# KiCad board PiCoral.kicad_pcb (continued)
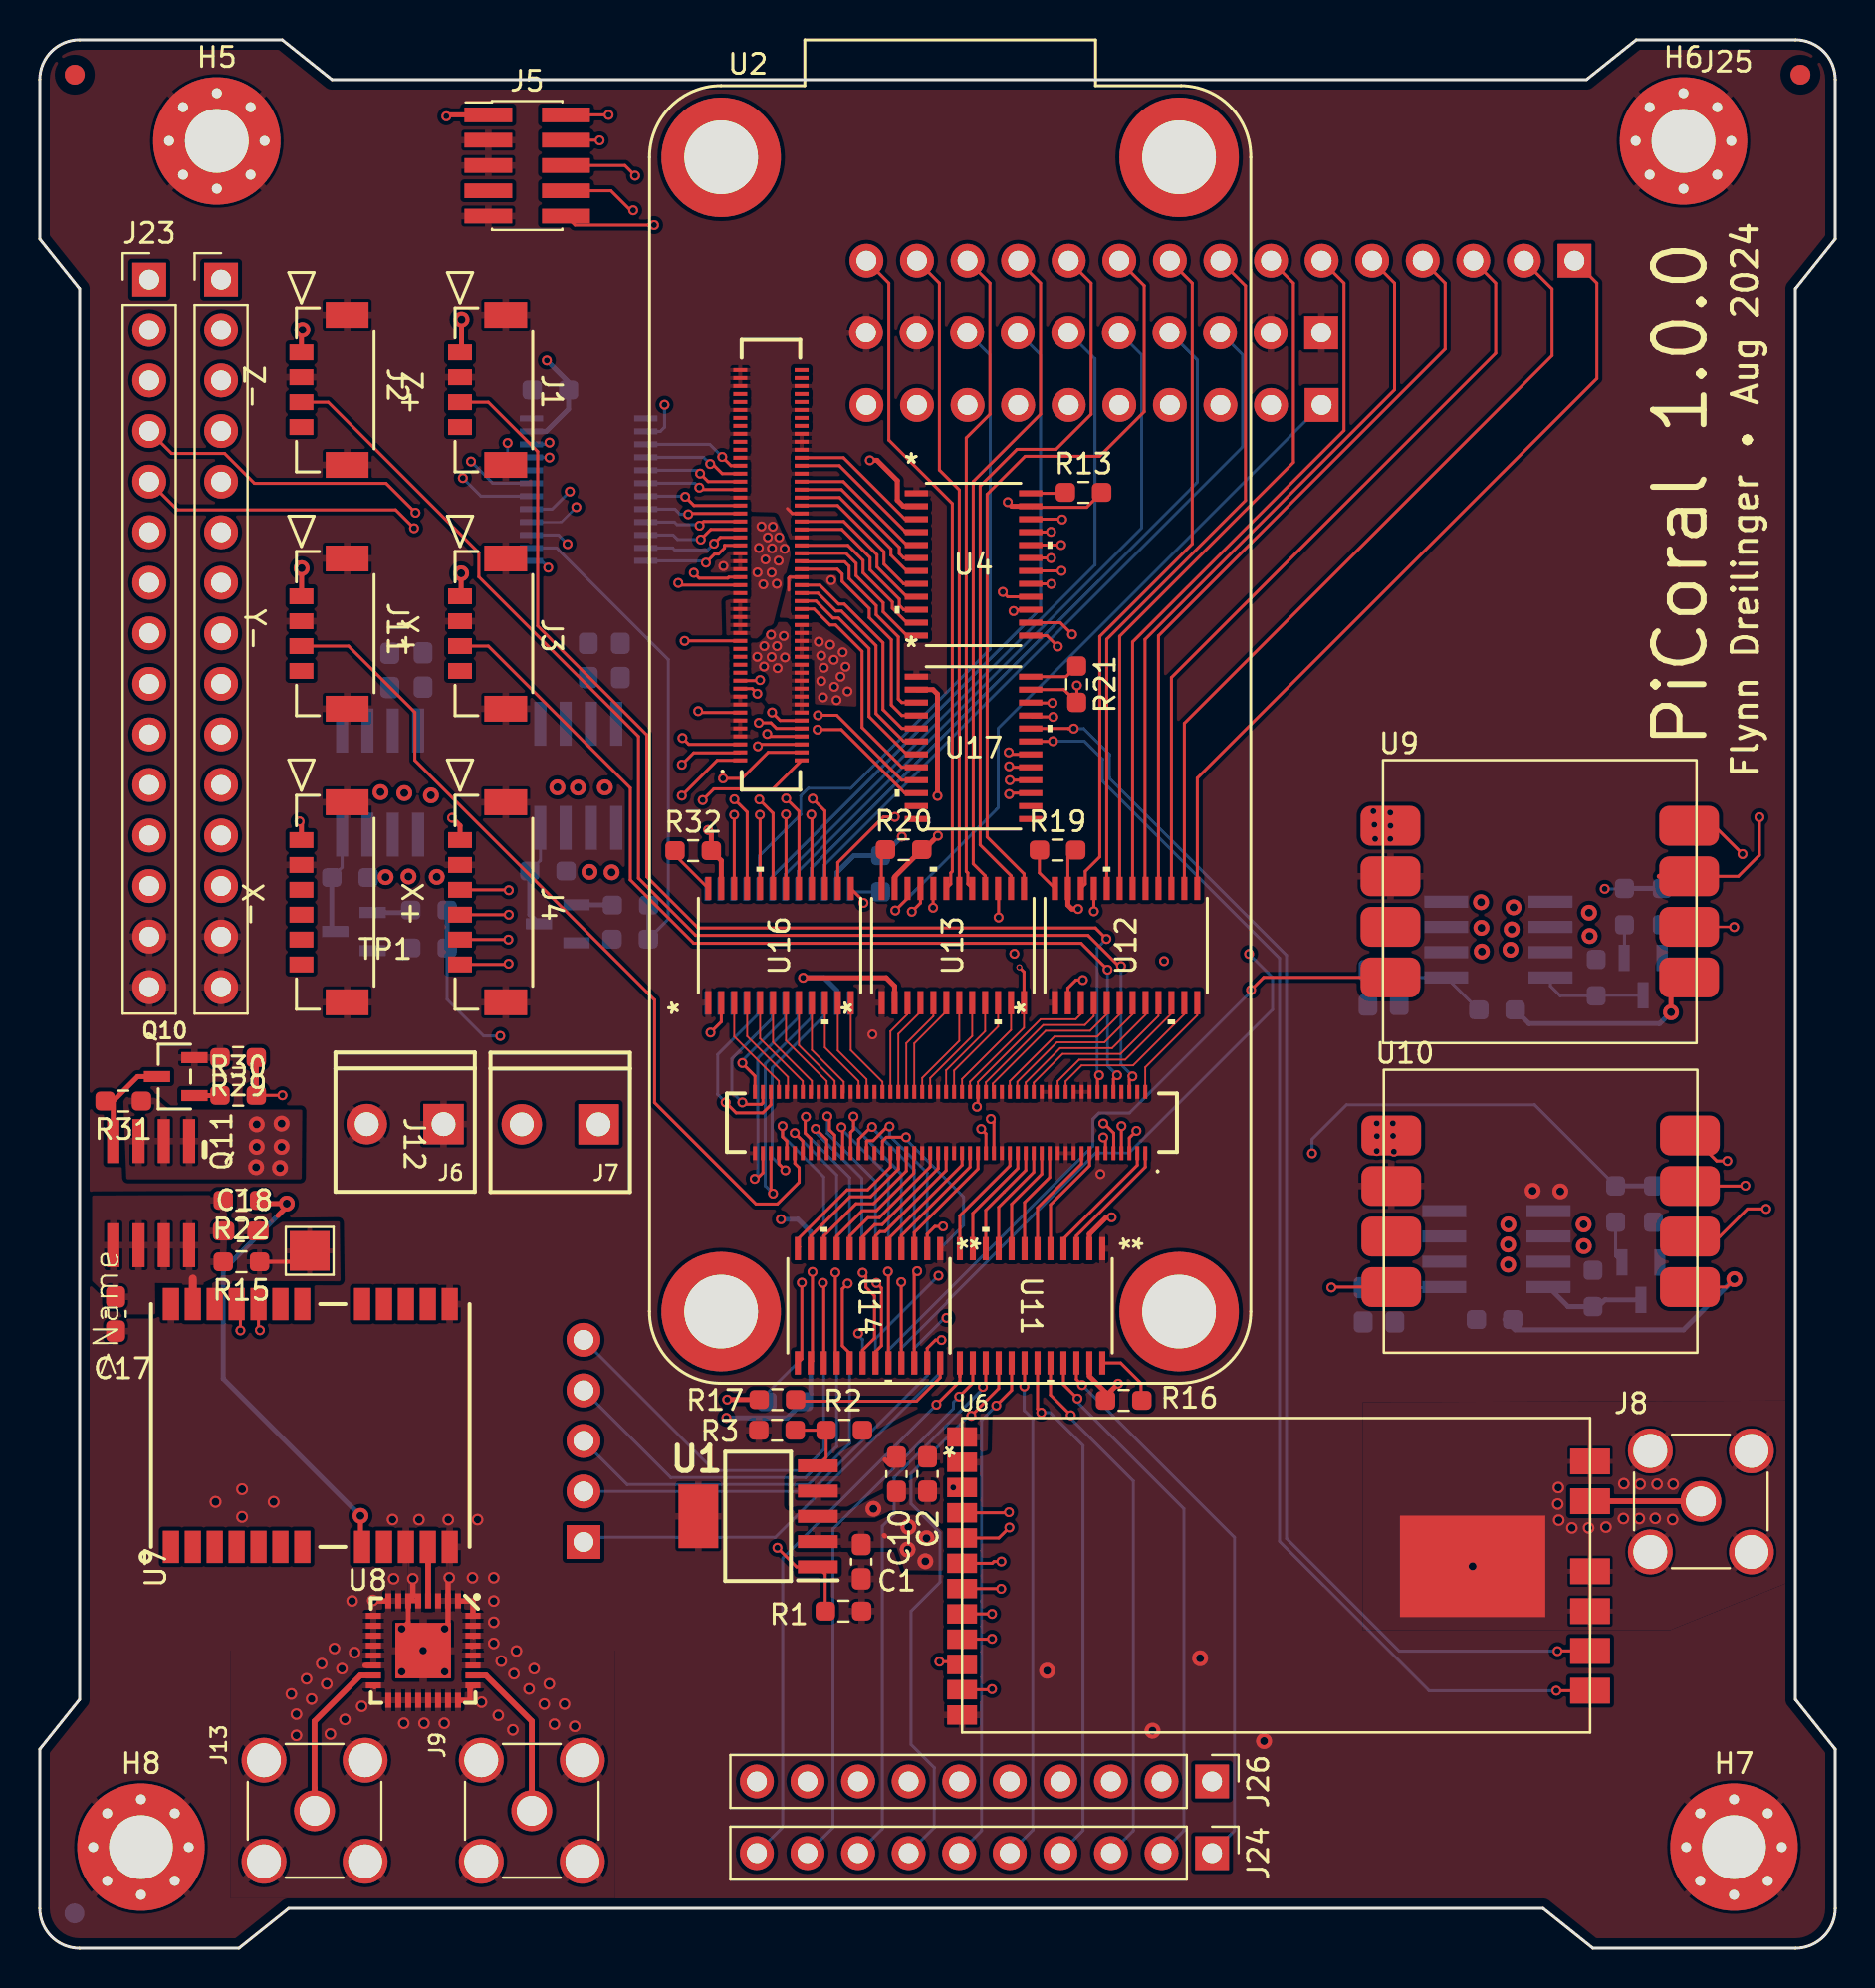
[diagram p0: board, top side]
## Nets
+1V8: J5.1 J25.6 J25.7 U2.128 U2.130 U2.132 U2.134 U2.136 U3.2 U4.2 U5.2 U11.2 U12.2 U13.2 U14.2 U15.2 U16.2 U17.2
+3V3: J23.6 J23.7 J23.8 Q2.1 Q2.2 Q2.3 Q5.1 Q5.2 Q5.3 Q7.1 Q7.2 Q7.3 Q9.1 Q9.2 Q9.3 Q11.1 Q11.2 Q11.3 R7.1 R10.1 R12.2 R13.2 R14.2 R16.2 R17.2 R18.2 R19.2 R20.2 R21.2 R25.1 R28.1 R31.1 R32.2 U2.133 U2.135 U2.137 U2.139 U2.141 U3.23 U4.23 U5.23 U11.23 U12.23 U13.23 U14.23 U15.23 U16.23 U17.23
/3V3_PD1: C3.1 C4.1 J1.1 J3.1 J4.1 Q2.5 Q2.6 Q2.7 Q2.8
/3V3_PD2: C5.1 C6.1 J2.1 J11.1 J12.1 Q5.5 Q5.6 Q5.7 Q5.8
/GPS/3V3_GPS: C17.1 C18.1 Q11.5 Q11.6 Q11.7 Q11.8 R15.2 R22.2 U7.23
/MAG1/3V3_SENSORS: C13.1 C14.1 Q7.5 Q7.6 Q7.7 Q7.8 R6.2 U9.1
/MAG2/3V3_SENSORS: C15.1 C16.1 Q9.5 Q9.6 Q9.7 Q9.8 R11.2 U10.1
/VDD_1V8: J23.4 U2.147
/VDD_1V8_AON: J23.12 U2.103
/VDD_1V8_CAM: J25.13 U2.102
/VDD_1V8_MIC: J25.12 U2.104
/VDD_1V8_SENSE: J23.5 U2.145
/VDD_3V3_SENSE: J23.9 U2.131
/VDD_LPSR_IN_01: J23.10 U2.113
/VDDA_1P0_01: J23.11 U2.105
/VDDA_2V8_CAM: J23.13 U2.101
GND: C1.1 C2.1 C3.2 C4.2 C5.2 C6.2 C10.2 C13.2 C14.2 C15.2 C16.2 C17.2 C18.2 H5.1 H6.1 H7.1 H8.1 J1.2 J1.5 J1.6 J2.2 J2.5 J2.6 J3.2 J3.5 J3.6 J4.2 J4.7 J4.8 J5.3 J5.5 J5.9 J6.1 J6.2 J8.2 J9.2 J11.2 J11.5 J11.6 J12.2 J12.7 J12.8 J13.2 J23.14 J23.15 J25.14 J25.15 J30.1 J30.2 J30.9 J30.10 Q1.2 Q4.2 Q6.2 Q8.2 Q10.2 R1.2 R3.2 R4.2 R8.2 R23.2 R26.2 R29.2 U1.3 U1.6 U2.4 U2.8 U2.12 U2.13 U2.16 U2.18 U2.19 U2.20 U2.21 U2.23 U2.26 U2.28 U2.37 U2.38 U2.49 U2.54 U2.57 U2.69 U2.70 U2.76 U2.83 U2.84 U2.90 U2.99 U2.107 U2.109 U2.111 U2.115 U2.117 U2.138 U2.143 U2.148 U2.149 U2.151 U2.153 U2.158 U2.164 U2.167 U2.174 U2.177 U2.180 U2.182 U2.183 U2.184 U2.189 U2.190 U2.195 U2.196 U2.197 U2.199 U3.1 U4.1 U5.1 U6.2 U6.12 U6.15 U6.16 U6.18 U6.19 U7.10 U7.12 U7.13 U7.24 U8.1 U8.2 U8.3 U8.5 U8.6 U8.7 U8.8 U8.9 U8.10 U8.11 U8.12 U8.13 U8.14 U8.16 U8.17 U8.18 U8.19 U8.20 U8.21 U8.22 U8.23 U8.24 U8.25 U8.27 U8.28 U8.29 U8.30 U8.31 U8.32 U8.EP U9.2 U10.2 U11.1 U12.1 U13.1 U14.1 U15.1 U16.1 U17.1
/BOOT_MODE0: J25.5 U17.15
/BOOT_MODE1: J25.4 U17.16
/BOOT_MODE1_1V8: U2.121 U17.9
/BOOT_MODE_1V8: U2.119 U17.10
/CS_MAG1: R6.1 U3.15 U9.8
/CS_MAG1_1V8: U2.159 U3.10
/CS_MAG2: R11.1 U10.8 U13.21
/CS_MAG2_1V8: U2.64 U13.4
/CS_RF: U6.8 U17.21
/CS_RF_1V8: U2.150 U17.4
/DA_GPIO0: J26.6 U14.17
/DA_GPIO0_1V8: U2.55 U14.8
/DA_GPIO2: J26.9 U14.14
/DA_GPIO2_1V8: U2.63 U14.11
/DA_GPIO3: J26.10 U14.13
/DA_GPIO3_1V8: U2.65 U14.12
/DA_GPIO4: J27.1 U5.13
/DA_GPIO4_1V8: U2.67 U5.12
/DA_GPIO_1: J28.15 U13.19
/DA_GPIO_1_1V8: U2.60 U13.6
/DA_nIRQ: J26.8 U14.15
/DA_nIRQ_1V8: U2.61 U14.10
/DA_nRESET: J26.7 U14.16
/DA_nRESET_1V8: U2.59 U14.9
/Da_nRESETQ: J29.3 U16.15
/Da_nRESETQ_1V8: U2.74 U16.10
/DA_OUT: J30.4 U15.21
/DA_OUT_1V8: U2.95 U15.4
/DCDC_1V8_OUT: J25.9 U2.110
/DCDC_1V8_OUT_SENSE: J25.8 U2.112
/DRDY_MAG1: U5.17 U9.4
/DRDY_MAG1_1V8: U2.77 U5.8
/DRDY_MAG2: U5.19 U10.4
/DRDY_MAG2_1V8: U2.81 U5.6
/EN_GPS: R29.1 R30.2 U5.15
/EN_GPS_1V8: U2.73 U5.10
/EN_MAG1: R23.1 R24.2 U5.16
/EN_MAG1_1V8: U2.75 U5.9
/EN_MAG2: R26.1 R27.2 U5.18
/EN_MAG2_1V8: U2.79 U5.7
/EN_PD1: R4.1 R5.2 U3.14
/EN_PD1_1V8: U2.157 U3.11
/EN_PD2: R8.1 R9.2 U3.13
/EN_PD2_1V8: U2.155 U3.12
/EN_RF: R1.1 U1.1 U4.21
/EN_RF_1V8: U2.176 U4.4
/GPIO_AD_25: J27.5 U5.22
/GPIO_AD_25_1V8: U2.91 U5.3
/GPIO_AD_26: J24.2 U11.21
/GPIO_AD_26_1V8: U2.3 U11.4
/GPIO_AD_27: J24.1 U11.22
/GPIO_AD_27_1V8: U2.1 U11.3
/GPIO_AD_28: J23.2 U3.19
/GPIO_AD_28_1V8: U2.169 U3.6
/GPIO_AD_29: J23.1 U3.20
/GPIO_AD_29_1V8: U2.171 U3.5
/GPIO_AD_32: J26.4 U14.19
/GPIO_AD_32_1V8: U2.51 U14.6
/GPIO_AD_33: J28.12 U13.16
/GPIO_AD_33_1V8: U2.52 U13.9
/GPIO_AD_34: J30.3 U15.22
/GPIO_AD_34_1V8: U2.93 U15.3
/GPIO_AD_35: J27.4 U5.21
/GPIO_AD_35_1V8: U2.87 U5.4
/GPIO_DISP_B1_04: J25.1 U4.17
/GPIO_DISP_B1_04_1V8: U2.166 U4.8
/GPIO_DISP_B1_11: J23.3 U3.18
/GPIO_DISP_B1_11_1V8: U2.165 U3.7
/GPIO_DISP_B2_06: J29.8 U16.20
/GPIO_DISP_B2_06_1V8: U2.88 U16.5
/GPIO_DISP_B2_07: J29.7 U16.19
/GPIO_DISP_B2_07_1V8: U2.86 U16.6
/GPIO_DISP_B2_09: J29.6 U16.18
/GPIO_DISP_B2_09_1V8: U2.82 U16.7
/GPIO_EMC_B1_40: J28.1 U12.13
/GPIO_EMC_B1_40_1V8: U2.2 U12.12
/GPIO_EMC_B1_41: J28.2 U12.14
/GPIO_EMC_B1_41_1V8: U2.22 U12.11
/GPIO_EMC_B2_00: J28.3 U12.15
/GPIO_EMC_B2_00_1V8: U2.24 U12.10
/GPIO_EMC_B2_01: J26.3 U14.20
/GPIO_EMC_B2_01_1V8: U2.47 U14.5
/GPIO_EMC_B2_02: J25.3 U17.17
/GPIO_EMC_B2_02_1V8: U2.140 U17.8
/GPIO_EMC_B2_03: J25.2 U17.18
/GPIO_EMC_B2_03_1V8: U2.142 U17.7
/GPIO_EMC_B2_04: J29.1 U13.22
/GPIO_EMC_B2_04_1V8: U2.66 U13.3
/GPIO_EMC_B2_08: J26.5 U14.18
/GPIO_EMC_B2_08_1V8: U2.53 U14.7
/GPIO_EMC_B2_10: J28.8 U12.20
/GPIO_LPSR_00: J30.5 U15.20
/GPIO_LPSR_00_1V8: U2.97 U15.5
/GPIO_LPSR_01: J26.2 U14.21
/GPIO_LPSR_01_1V8: U2.45 U14.4
/GPIO_LPSR_04: J24.3 U11.20
/GPIO_LPSR_04_1V8: U2.15 U11.5
/GPIO_LPSR_05: J24.4 U11.19
/GPIO_LPSR_05_1V8: U2.17 U11.6
/GPIO_LPSR_06: J29.2 U16.14
/GPIO_LPSR_06_1V8: U2.72 U16.11
/GPIO_LPSR_07: J24.10 U11.13
/GPIO_LPSR_07_1V8: U2.35 U11.12
/GPIO_LPSR_10: J28.11 U13.14
/GPIO_LPSR_10_1V8: U2.48 U13.11
/GPIO_LPSR_11: J28.10 U13.13
/GPIO_LPSR_11_1V8: J5.6 U2.46 U13.12
/GPIO_LPSR_12: J28.9 U12.22
/GPIO_LPSR_12_1V8: J5.8 U2.44 U12.3
/GPIO_LPSR_13: J26.1 U14.22
/GPIO_LPSR_13_1V8: U2.43 U14.3
/GPIO_SD_B1_00: J30.8 U15.17
/GPIO_SD_B1_00_1V8: U2.100 U15.6
/GPIO_SD_B1_01: J29.9 U16.21
/GPIO_SD_B1_01_1V8: U2.92 U16.4
/GPIO_SD_B1_02: J30.6 U15.19
/GPIO_SD_B1_02_1V8: U2.96 U15.8
/GPIO_SD_B1_03: J29.10 U16.22
/GPIO_SD_B1_03_1V8: U2.94 U16.3
/GPIO_SD_B1_04: J27.3 U5.20
/GPIO_SD_B1_04_1V8: U2.85 U5.5
/GPIO_SD_B1_05: J30.7 U15.18
/GPIO_SD_B1_05_1V8: U2.98 U15.7
/GPIO_SD_B2_00: J27.2 U5.14
/GPIO_SNVS_00: J24.8 U11.15
/GPIO_SNVS_00_1V8: U2.31 U11.10
/GPIO_SNVS_02: J29.5 U16.17
/GPIO_SNVS_02_1V8: U2.80 U16.8
/GPIO_SNVS_03: J24.5 U11.18
/GPIO_SNVS_03_1V8: U2.25 U11.7
/GPIO_SNVS_04: J28.14 U13.18
/GPIO_SNVS_04_1V8: U2.58 U13.7
/GPIO_SNVS_05: J24.9 U11.14
/GPIO_SNVS_05_1V8: U2.33 U11.11
/GPIO_SNVS_06: J29.4 U16.16
/GPIO_SNVS_06_1V8: U2.78 U16.9
/GPIO_SNVS_07: J28.6 U12.18
/GPIO_SNVS_07_1V8: U2.34 U12.7
/GPIO_SNVS_08: J28.13 U13.17
/GPIO_SNVS_08_1V8: U2.56 U13.8
/GPIO_SNVS_09: J24.6 U11.17
/GPIO_SNVS_09_1V8: U2.27 U11.8
/GPS/RF_IN: U7.11 U8.4
/MCM_3V3: J25.11 U2.106
/MCM_3V3_SENSE: J25.10 U2.108
/ONOFF: J28.4 U12.16
/ONOFF_1V8: U2.30 U12.9
/pd_y+: J1.3 U2.14
/pd_y-: J11.3 U2.89
/pd_z+: J3.3 U2.10
/pd_z-: J2.3 U2.6
/PMIC_ON_REQ: J24.7 U11.16
/PMIC_ON_REQ_1V8: U2.29 U11.9
/PMIC_STBY_REQ: J28.5 U12.17
/PMIC_STBY_REQ_1V8: U2.32 U12.8
/pyramid1: J4.3 U2.5
/pyramid2: J4.4 U2.7
/pyramid3: J4.5 U2.9
/pyramid4: J4.6 U2.11
/RF_BUSY: U4.22 U6.4
/RF_BUSY_1V8: U2.178 U4.3
/RF_IO1: U4.20 U6.5
/RF_IO1_1V8: U2.172 U4.5
/RF_IO2: U4.19 U6.6
/RF_IO2_1V8: U2.170 U4.6
/RF_IO3: U4.18 U6.7
/RF_IO3_1V8: U2.168 U4.7
/RF_RST: U4.15 U6.3
/RF_RST_1V8: U2.160 U4.10
/RF_RX_EN: U6.14 U17.20
/RF_RX_EN_1V8: U2.146 U17.5
/RF_TX_EN: U6.13 U17.19
/RF_TX_EN_1V8: U2.144 U17.6
/RX_FROM_GPS: U3.22 U7.20
/RX_FROM_GPS_1V8: U2.175 U3.3
/SCK_RF: U4.14 U6.9
/SCK_RF_1V8: U2.156 U4.11
/SCK_SENSE1: U9.5 U17.22
/SCK_SENSE1_1V8: U2.152 U17.3
/SCK_SENSE2: U10.5 U13.20
/SCK_SENSE2_1V8: U2.62 U13.5
/SDI_RF: U4.13 U6.11
/SDI_RF_1V8: U2.154 U4.12
/SDI_SENSE1: U3.17 U9.6
/SDI_SENSE1_1V8: U2.163 U3.8
/SDI_SENSE2: U10.6 U16.13
/SDI_SENSE2_1V8: U2.68 U16.12
/SDO_RF: U4.16 U6.10
/SDO_RF_1V8: U2.162 U4.9
/SDO_SENSE1: U3.16 U9.7
/SDO_SENSE1_1V8: U2.161 U3.9
/SDO_SENSE2: U10.7 U12.21
/SWD_CLK: J5.4 U2.41
/SWD_DIO: J5.2 U2.39
/SWD_nRESET: J5.10 U13.15
/SWD_nRESET_1V8: U2.50 U13.10
/TX_TO_GPS: U3.21 U7.21
/TX_TO_GPS_1V8: U2.173 U3.4
/V_BCKP: R15.1 TP1.1 U7.22
/WAKEUP: J28.7 U12.19
/WAKEUP_1V8: U2.36 U12.6
V_RF: C2.2 C10.1 R2.1 U1.4 U6.1
VSYS: C1.2 J7.1 J7.2 U1.2 U2.114 U2.116 U2.118 U2.120 U2.122 U2.124 U2.126
Net-(J8-In): J8.1 U6.17
Net-(J9-In): J9.1 U8.26
Net-(J13-In): J13.1 U8.15
Net-(Q1-D): Q1.3 Q2.4 R7.2
Net-(Q1-G): Q1.1 R5.1
Net-(Q4-D): Q4.3 Q5.4 R10.2
Net-(Q4-G): Q4.1 R9.1
Net-(Q6-D): Q6.3 Q7.4 R25.2
Net-(Q6-G): Q6.1 R24.1
Net-(Q8-D): Q8.3 Q9.4 R28.2
Net-(Q8-G): Q8.1 R27.1
Net-(Q10-D): Q10.3 Q11.4 R31.2
Net-(Q10-G): Q10.1 R30.1
Net-(U1-SENSE/ADJ): R2.2 R3.1 U1.5
Net-(U2B-GPIO_SD_B2_00): U2.71 U5.11
Net-(U3-EN): R12.1 U3.24
Net-(U4-EN): R13.1 U4.24
Net-(U5-EN): R14.1 U5.24
Net-(U7-RSTN): R22.1 U7.8
Net-(U11-EN): R16.1 U11.24
Net-(U12-A2): U2.42 U12.4
Net-(U12-A3): U2.40 U12.5
Net-(U12-EN): R19.1 U12.24
Net-(U13-EN): R20.1 U13.24
Net-(U14-EN): R17.1 U14.24
Net-(U15-EN): R18.1 U15.24
Net-(U16-EN): R32.1 U16.24
Net-(U17-EN): R21.1 U17.24

Pads without a net: J1 4; J2 4; J3 4; J5 7; J11 4; J12 3 4 5 6; U2 123 125 127 129 179 181 185 186 187 188 191 192 193 194 198 200 201 202 203 204; U7 1 2 3 4 5 6 7 9 14 15 16 17 18 19; U9 3; U10 3; U15 9 10 11 12 13 14 15 16; U17 11 12 13 14

## Via types
v1: diameter 0.5, hole 0.3, Top to Bottom, 235 vias
v2: diameter 0.8, hole 0.4, Top to Bottom, 50 vias
v3: diameter 0.584, hole 0.381, Top to Bottom, 62 vias
v4: diameter 0.6, hole 0.4, Top to Bottom, 4 vias
v5: diameter 0.3, hole 0.2, Top to Bottom, 1 via

## Routing (per net, layer and track width the routed paths; a pad name or vN(x,y) marks a point on that pad's centre or on a via; arc(x,y) is an arc through that point)
+1V8: length 32.5
  Top w0.15: U12.2 51.63,48.24 52.04,48.65 v1(52.39,48.65) ; v1(45.36,36.27) 44.96,36.27 44.57,35.88 U14.2 ; v1(33.69,46.01) 34.23,46.55 U16.2
  Top w0.25: v1(20.42,92.05) 20.48,92.12 J5.1 ; v1(53.83,36.72) 53.56,36.72 52.71,35.88 U11.2 ; v1(41.69,74.76) 42.05,74.76 43.07,73.74 43.07,72.75 43.37,72.45 44.02,72.45 ; U17.2 44.86,63.24 45.08,63.01 v1(45.08,57.9) ; v1(38.33,48.76) 42.51,48.76 42.93,48.34 U13.2
  Bottom w0.15: v1(31.38,77.55) 31.38,76.41 31.17,76.21 U3.2
  Bottom w0.25: U15.2 40.04,48.11 39.39,48.76 v1(38.33,48.76) ; U5.2 38.72,35.98 38.08,36.62 v1(37.22,36.62)
  vias: v1(39.13,65.65) v1(39.24,64.95) v1(39.24,63.67) v1(39.38,64.34) v1(39.33,62.85) v1(39.7,65.5) v1(39.88,64.74) v1(39.89,63.38) v1(40.02,62.71) v1(40.22,63.89) v1(40.33,65.12) v1(40.47,64.39) v1(40.57,63.15)
+3V3: length 41.9
  Top w0.15: R13.2 52.58,72.4 49.82,72.4 U4.23 ; U14.23 44.57,30.14 44.99,30.56 v1(45.29,30.56) ; U12.23 51.63,54.78 R19.2 ; v1(52.08,63.45) 52.08,62.61 R21.2 51.43,63.24 U17.23 ; U13.23 42.93,53.83
  Top w0.25: v1(33.57,56.19) 33.73,56.03 R32.2 34.23,54.65 U16.23 ; U4.23 48.82,72.45 v1(48.61,72.66) ; v1(54.16,28.37) 53.52,27.74 R16.2 53.52,27.93 52.71,28.75 U11.23 ; R17.2 v1(34.52,27.57) ; U12.23 51.63,52.41 51.83,52.21 v1(52.15,52.21) ; v1(45.11,55.9) 44.41,55.2 R20.2 42.93,53.83
  Bottom w0.15: 26.41,54.13 26.49,54.05
  Bottom w0.25: U15.23 40.03,54.05 40.88,54.9 R18.2 42.34,54.9 v1(43.3,55.86) ; v1(25.47,79.77) 26.56,78.68 R12.2 26.56,77.33 25.43,76.21 U3.23 ; v1(34.48,26.65) 37.54,26.65 R14.2 38.72,27.83 U5.23
  vias: v1(36.05,69.13) v1(36.11,70.36) v1(36.24,71.44) v1(36.33,68.53) v1(36.45,69.78) v1(36.57,70.89) v1(36.77,70.34) v1(36.76,69.12) v1(36.82,71.43) v1(37.11,69.72) v1(37.02,68.56) v1(37.14,70.89) v1(37.41,70.32) v2(10.9,41.39) v2(10.9,40.26) v2(10.87,39.24) v2(12.07,39.2) v2(12.15,41.43) v2(12.15,40.26) v2(17.11,58.09) v2(17.37,53.82) v2(18.31,58.04) v2(18.52,53.85) v2(19.64,57.93) v2(19.94,53.83) v2(25.99,58.33) v2(27.03,58.32) v2(27.61,54.08) v2(28.38,58.33) v2(28.72,54.06) v2(73.76,36.37) v2(73.74,35.36) v2(73.74,34.35) v2(73.86,50.17) v2(73.92,51.19) v2(74.02,52.3) v2(77.54,36.37) v2(77.55,35.28) v2(77.8,52.03) v2(77.83,50.86)
/3V3_PD1: length 4.2
  Top w0.25: v2(21.18,81.85) 21.18,80.25 J1.1 ; J4.1 21.11,56.4 v1(20.7,56.8) ; 21.11,69.03 v2(21.16,69.08) 21.16,67.98 J3.1
/3V3_PD2: length 3.6
  Top w0.25: v1(13.05,56.62) 13.14,56.52 J12.1 ; v2(13.19,81.32) 13.14,81.27 J2.1 ; J11.1 13.15,67.94 v2(13.15,69.34)
/GPS/3V3_GPS: length 1.3
  Top w0.4: U7.23 7.69,33.64
/MAG1/3V3_SENSORS: length 6.4
  Bottom w0.15: R6.2 70.65,48.77 Q7.5 68.64,48.77 C13.1 68.25,49.12
  Bottom w0.25: C14.1 68.25,49.12
  vias: v1(66.98,57.13) v1(67.02,56.45) v1(67.07,55.74) v1(67.83,57.06) v1(67.83,56.4) v1(67.83,55.74) v2(72.39,52.56) v2(72.41,51.27) v2(72.42,50.08)
/MAG2/3V3_SENSORS: length 4.1
  Bottom w0.15: Q9.5 70.51,33.19 C15.1 C16.1
  Bottom w0.25: 71.37,33.18 71.37,33.18
  vias: v1(67.14,41.45) v1(67.16,40.81) v1(67.14,40.06) v1(67.95,41.45) v1(67.97,40.82) v1(68.01,40.03)
/VDD_1V8: length 32.8
  Top w0.15: 35.18,68.89 34.61,68.89 34.55,68.84 33.11,68.84 v1(32.85,69.11) ; J23.4 6.62,75.1 9.28,75.1 10.78,73.6 17.39,73.6 v1(18.87,72.13)
  In1.Cu w0.15: v1(32.85,69.11) 30.19,71.77 19.23,71.77 v1(18.87,72.13)
/VDD_1V8_AON: length 32.1
  Top w0.15: 35.18,60.09 35.16,60.06 32.84,60.06 v1(32.24,59.47)
  In1.Cu w0.15: v1(32.24,59.47) 29.04,56.26 14.15,56.26 13.26,57.14 6.73,57.14 J23.12
/VDD_1V8_CAM: length 31.8
  Top w0.15: v1(33.29,57.69) 33.86,58.25 36.83,58.25 U2.102
  In1.Cu w0.15: J25.13 10.92,55.18 30.85,55.18 33.29,57.63 v1(33.29,57.69)
/VDD_1V8_MIC: length 30.9
  Top w0.15: U2.104 36.58,60.09 35.27,58.78 v1(34.32,58.78)
  In1.Cu w0.15: v1(34.32,58.78) 32.05,58.78 29.18,55.91 J25.12
/VDD_1V8_SENSE: length 31.9
  Top w0.15: J23.5 6.91,72.27 17.87,72.27 v1(18.8,71.35) ; 35.18,68.49 32.17,68.49 v1(32.07,68.6)
  In1.Cu w0.15: v1(18.8,71.35) 25.05,71.35 25.16,71.25 ; v1(32.07,68.6) 29.42,71.25 25.16,71.25 ; 25.16,71.25 25.22,71.19
/VDD_3V3_SENSE: length 30.6
  Top w0.15: 35.18,65.69 v1(32.39,65.69)
  In1.Cu w0.15: J23.9 6.62,64.65 31.35,64.65 v1(32.39,65.69)
/VDD_LPSR_IN_01: length 30.2
  Top w0.15: v1(33.07,62.16) 33.14,62.09 35.18,62.09
  In1.Cu w0.15: v1(33.07,62.16) 33.02,62.11 6.62,62.11 J23.10
/VDDA_1P0_01: length 30.8
  Top w0.15: 35.18,60.49 32.6,60.49 v1(32.27,60.81)
  In1.Cu w0.15: v1(32.27,60.81) 32.26,60.83 10.54,60.83 9.57,59.86 6.91,59.86 J23.11
/VDDA_2V8_CAM: length 32.3
  Top w0.15: v1(32.24,57.91) 34.02,59.69 35.18,59.69
  In1.Cu w0.15: J23.13 6.91,54.78 9.57,54.78 10.35,55.56 29.89,55.56 v1(32.24,57.91)
GND: length 13.3
  Top w0.09: 46.32,24.38 45.72,24.38
  Top w0.15: U2.148 37.66,68.89 37.61,68.84 37.61,68.24 ; U2.164 37.8,72.09 37.55,72.34
  Top w0.235: U8.5 U8.6 18.5,16.38 v3(18.18,16.05)
  Top w0.25: 8.01,44.88 7.99,44.86 7.95,44.86 7.95,44.87
  Top w0.272: 16.75,17.34 16.65,17.45 17.49,17.45 U8.8 ; 15.84,14.71 15.69,14.86 ; U8.1 21.01,17.45 21.75,17.45 U8.32 21.74,16.72 ; U8.16 16.82,13.14 ; U8.6 18.73,17.69 v3(18.73,18.56) ; U8.29 21.71,15.16 ; U8.14 16.34,14.21 ; 20.5,16.21 U8.2 20.5,18.55 v3(20.56,18.61) ; U8.24 21.57,12.46 21.6,12.49 21.6,13.06 U8.25 21.74,13.22 ; U8.30 21.79,15.67 ; U8.23 20.5,12.32
  vias: v1(34.33,69.45) v1(39.74,68.74) v1(41.82,45.92) v1(53.27,38.9) v2(41.86,22.08) v2(50.59,13.94) v2(55.88,10.93) v2(58.27,14.57) v2(61.48,10.41) v2(71.96,19.19) v2(74.98,38.06) v2(76.36,38.03) v3(12.64,12.78) v3(12.89,11.76) v3(12.89,10.69) v3(13.4,13.54) v3(13.65,12.52) v3(14.16,14.3) v3(14.41,13.28) v3(14.59,10.76) v3(14.79,15.06) v3(15.18,14.05) v3(15.33,11.49) v3(15.69,17.45) v3(15.81,14.86) v3(16.17,12.15) v3(16.72,17.47) v3(17.72,21.54) v3(17.77,18.56) v3(18.18,13.89) v3(18.28,11.3) v3(19.04,21.54) v3(19.25,14.96) v3(19.29,11.3) v3(20.33,16.05) v3(20.33,13.89) v3(20.31,11.3) v3(20.51,21.54) v3(21.73,18.61) v3(21.99,21.54) v3(22.18,12.36) v3(22.8,18.61) v3(22.8,17.45) v3(22.8,16.38) v3(22.8,15.32) v3(23.03,11.7) v3(23.18,14.43) v3(23.76,10.97) v3(23.81,13.79) v3(23.94,14.93) v3(24.57,13.03) v3(24.83,14.05) v3(25.34,12.27) v3(25.59,13.28) v3(25.84,11.25) v3(26.35,12.27) v3(26.86,11.15) v3(76.27,23.15) v3(76.23,22.32) v3(76.29,21.51) v3(76.95,21.12) v3(77.79,21.12) v3(78.66,21.16) v3(79.55,23.34) v3(79.54,21.59) v3(80.38,23.32) v3(80.33,21.59) v3(81.14,21.6) v3(81.23,23.32) v3(82.04,23.32) v3(82.01,21.54) v4(8.83,22.43) v4(10.16,23.06) v4(10.16,21.67) v4(11.75,22.43)
/BOOT_MODE0: length 47.6
  Top w0.15: v1(48.69,57.99) 48.74,58.04 U17.15
  In1.Cu w0.15: v1(48.69,57.99) 48.67,57.99 47.44,59.22 47.44,59.85 40.71,66.58 18.26,66.58 11.15,73.69 J25.5
/BOOT_MODE1: length 48.2
  Top w0.15: U17.16 v1(48.72,58.69)
  In1.Cu w0.15: J25.4 18.41,66.93 40.86,66.93 47.79,60 47.79,59.54 48.64,58.69 v1(48.72,58.69)
/BOOT_MODE1_1V8: length 11.1
  Top w0.15: v1(36.17,63.72) 36.14,63.69 35.18,63.69 ; v1(39.08,61.95) 40.03,61.95 43.29,58.69 U17.9
  In1.Cu w0.15: 37.14,63.79 36.24,63.79 v1(36.17,63.72) ; 37.14,63.79 37.25,63.79 v1(39.08,61.95) ; 37.14,63.79 37.03,63.79
/BOOT_MODE_1V8: length 11
  Top w0.15: v1(39.06,61.23) 40.25,61.23 43.45,58.04 U17.10 ; v1(36.04,63.03) 35.78,63.29 35.18,63.29
  In1.Cu w0.15: v1(39.06,61.23) 37.26,63.03 v1(36.04,63.03)
/CS_MAG1: length 78.5
  Top w0.25: v2(81.92,47.03) 81.92,47.87 U9.8
  In1.Cu w0.15: v2(81.92,47.03) 60.97,47.03 49.24,58.75 49.24,60.25 41.51,67.98 31.52,67.98 28.94,70.55 v1(26.5,70.55)
  Bottom w0.15: U3.15 26.05,71.01 v1(26.5,70.55)
  Bottom w0.25: R6.1 74.79,46.46 81.36,46.46 v2(81.92,47.03)
/CS_MAG1_1V8: length 5
  Top w0.15: v1(33.2,70.78) 33.7,71.29 35.18,71.29
  Bottom w0.15: v1(33.2,70.78) 32.03,70.78 31.8,71.01 U3.10
/CS_MAG2: length 65.5
  Top w0.15: U13.21 44.23,52.51 v1(43.8,52.08) ; v2(85.11,33.62) 84.7,33.22 U10.8
  In1.Cu w0.15: v2(85.11,33.62) 71.7,33.62 62.37,42.95 52.92,42.95 v1(43.8,52.08)
  Bottom w0.25: v2(85.11,33.62) 82.55,31.07 74.1,31.07 73.58,31.59
/CS_MAG2_1V8: length 4.9
  Top w0.09: U13.4 44.23,47.05 43.12,45.94 43.12,43.03
/CS_RF: length 50.2
  Top w0.15: U6.8 v1(47.83,16.8) ; v1(50.9,61.87) 49.83,61.87 U17.21
  In2.Cu w0.15: v1(50.9,61.87) 50.9,61.57 51.63,60.84 51.63,29.67 47.1,25.14 47.1,18.5 47.83,17.78 v1(47.83,16.8)
/CS_RF_1V8: length 11.2
  Top w0.15: U2.150 40.05,69.29 40.3,69.05 40.3,68.68 41.65,67.32 41.65,66.86 42.77,65.75 42.77,62.46 43.29,61.94 U17.4
/DA_GPIO0: length 32.8
  Top w0.15: v1(40.58,33.4) 40.3,33.13 40.3,30.27 40.67,29.9 U14.17
  In2.Cu w0.15: J26.6 45.05,9.5 43,9.5 40.58,11.93 v1(40.58,33.4)
/DA_GPIO0_1V8: length 6.8
  Top w0.15: U14.8 40.67,35.78 41.59,36.71 42.16,36.71 44.72,39.27 U2.55
/DA_GPIO2: length 30.3
  Top w0.15: v1(38.8,33.98) 38.8,29.49 U14.14 38.72,29.4 38.73,29.4
  In2.Cu w0.15: v1(38.8,33.98) 38.8,33.97 38.8,8.62 J26.9
/DA_GPIO2_1V8: length 7.2
  Top w0.15: U14.11 38.72,35.78 40.69,37.76 41.72,37.76 43.12,39.15 43.12,39.95
/DA_GPIO3: length 30.1
  Top w0.15: v1(38.27,33.44) 38.27,29.61 U14.13
  In2.Cu w0.15: v1(38.27,33.44) 38.2,33.37 38.2,10.56 J26.10
/DA_GPIO3_1V8: length 7.5
  Top w0.09: U14.12 38.11,35.15 38.2,35.24
  Top w0.15: U2.65 42.72,39.25 41.58,38.11 40.55,38.11 38.07,35.63 U14.12
/DA_GPIO4: length 21.9
  Bottom w0.15: U5.13 45.22,28.93 36.94,20.64 27.54,20.64 J27.1
/DA_GPIO4_1V8: length 9.2
  Top w0.15: v1(43.51,40.75) 42.52,40.75 42.32,40.55 U2.67
  Bottom w0.15: v1(43.51,40.75) 43.51,40.64 46.39,37.75 46.39,36.32 U5.12
/DA_GPIO_1: length 33.5
  Top w0.15: J28.15 42.64,83.67 42.64,75.77 45.83,72.58 45.83,54.11 45.75,54.03 45.75,53.47 U13.19
/DA_GPIO_1_1V8: length 5.1
  Top w0.09: U13.6 45.53,47.07 43.92,45.46 U2.60
/DA_nIRQ: length 29.8
  Top w0.15: v1(39.33,33.43) 39.37,33.39 U14.15
  In2.Cu w0.15: v1(39.33,33.43) 39.38,33.38 39.38,10.1 J26.8
/DA_nIRQ_1V8: length 7
  Top w0.15: U14.10 39.37,35.78 40.99,37.41 41.87,37.41 43.52,39.06 43.52,39.95
/DA_nRESET: length 31.7
  Top w0.15: U14.16 39.95,29.47 v1(39.95,33.95)
  In2.Cu w0.15: v1(39.95,33.95) 39.95,33.94 39.95,12.07 J26.7
/DA_nRESET_1V8: length 6.8
  Top w0.15: U2.59 43.89,39.92 43.89,38.94 42.01,37.06 41.3,37.06 40.02,35.77 U14.9
/Da_nRESETQ: length 39.3
  Top w0.15: U16.15 39.43,57.15 v1(38.82,57.76)
  In2.Cu w0.15: J29.3 56.42,74.66 46.61,74.66 45.13,73.18 45.13,63.09 39.8,57.76 v1(38.82,57.76)
/Da_nRESETQ_1V8: length 5.2
  Top w0.09: U16.10 39.43,45.26 41.12,43.57 41.12,43.03
/DA_OUT: length 36.6
  Bottom w0.15: 56.76,81.18 58.14,79.8 58.14,73.66 38.73,54.26 U15.21
/DA_OUT_1V8: length 12.8
  Top w0.15: U2.95 36.72,38.02 v1(36.83,37.92)
  Bottom w0.15: U15.4 38.74,46.74 36.43,44.44 36.43,38.31 v1(36.83,37.92)
/DCDC_1V8_OUT: length 30.1
  Top w0.15: v1(36.11,61.57) 36.72,61.57 37,61.29 U2.110
  In1.Cu w0.15: J25.9 33.13,63.53 35.08,61.57 v1(36.11,61.57)
/DCDC_1V8_OUT_SENSE: length 32.2
  Top w0.15: U2.112 37.18,61.69 v1(36.78,62.09)
  In1.Cu w0.15: v1(36.78,62.09) 36.77,62.1 35.29,62.1 33.94,63.45 33.94,65.33 33.04,66.23 9.27,66.23 J25.8
/DRDY_MAG1: length 34.4
  Top w0.15: U9.4 61.47,48.78 v1(60.83,48.15)
  Bottom w0.15: v1(60.83,48.15) 60.83,48.08 54.72,41.96 53.19,41.96 52.89,41.66 52.89,40.31 42.62,30.04 U5.17
/DRDY_MAG1_1V8: length 8.4
  Top w0.15: U2.77 40.32,41.19 v1(40.26,41.25)
  Bottom w0.15: U5.8 42.62,38.8 40.26,41.16 v1(40.26,41.25)
/DRDY_MAG2: length 32.8
  Top w0.15: v1(64.86,33.2) 64.89,33.22 U10.4
  In1.Cu w0.15: v1(64.86,33.2) 62.19,35.88 53.05,35.88 46.7,29.54 42.45,29.54 v1(41.1,30.89)
  Bottom w0.15: v1(41.1,30.89) 41.02,30.89 41.32,30.58 U5.19
/DRDY_MAG2_1V8: length 8.4
  Top w0.15: 39.52,39.95 39.52,40.61 v1(38.96,41.17)
  Bottom w0.15: v1(38.96,41.17) 38.96,41 41.29,38.68 41.29,35.18 U5.6
/EN_GPS: length 46.4
  Top w0.15: R30.2 12.18,42.86 v1(12.19,42.86)
  Top w0.25: R29.1 R30.2
  In1.Cu w0.15: v1(12.19,42.86) 12.82,42.22 12.82,40.03 15.46,37.39 41.43,37.39 44.61,34.22 44.61,32.59 v1(45.54,31.67)
  Bottom w0.15: U5.15 43.92,30.14 45.44,31.67 v1(45.54,31.67)
/EN_GPS_1V8: length 8.6
  Top w0.15: v1(41.8,41.26) 41.74,41.26 41.12,40.64 41.12,39.95
  Bottom w0.15: U5.10 43.92,39.11 43.16,39.87 43.14,39.87 41.8,41.22 v1(41.8,41.26)
/EN_MAG1: length 52.5
  In1.Cu w0.15: v1(78.6,53.23) 78.59,53.23 64.01,53.23 v1(60.73,49.96)
  Bottom w0.15: U5.16 43.27,30.14 45.58,32.45 45.58,32.5 53.03,39.96 54.71,39.96 61.92,47.17 61.92,48.78 v1(60.73,49.96) ; v1(78.6,53.23) 79.56,53.23 R24.2
  Bottom w0.25: 81.2,53.36 81.38,53.36 R23.1 79.41,53.25 79.3,53.36
/EN_MAG1_1V8: length 9.5
  Top w0.15: U2.75 40.72,40.99 40.86,41.13 v1(40.86,41.79)
  Bottom w0.15: U5.9 43.27,38.89 40.86,41.3 v1(40.86,41.79)
/EN_MAG2: length 47.3
  In1.Cu w0.15: v1(45.14,33.79) 51.29,39.94 v1(63.89,39.94)
  Bottom w0.15: v1(45.14,33.79) 41.97,30.62 U5.18 ; R27.2 75.07,42.38 65.63,42.38 63.89,40.65 v1(63.89,39.94)
  Bottom w0.25: R27.2 R26.1
/EN_MAG2_1V8: length 9.7
  Top w0.15: U2.79 39.92,40.85 39.66,41.11 39.66,41.69 v1(39.55,41.8)
  Bottom w0.15: U5.7 41.97,38.52 39.55,40.94 v1(39.55,41.8)
/EN_PD1: length 25.4
  Bottom w0.15: R4.1 31.57,51.7 31.57,64.75 25.95,70.36 U3.14
  Bottom w0.25: R5.2 30.58,50.72 R4.1
/EN_PD1_1V8: length 5
  Top w0.15: 35.18,70.89 34.18,70.89 v1(33.86,70.57)
  Bottom w0.15: v1(33.86,70.57) 33.55,70.26 31.89,70.26 31.78,70.36 U3.11
/EN_PD2: length 33.9
  In2.Cu w0.15: v1(25.54,69.37) 25.04,68.87 25.04,46.97 23.91,45.84 v1(23.12,45.84)
  Bottom w0.15: v1(23.12,45.84) 22.3,45.84 20.46,47.68 R8.1 ; U3.13 25.19,69.71 v1(25.54,69.37)
  Bottom w0.25: R9.2 R8.1
/EN_PD2_1V8: length 5.2
  Top w0.15: v1(33.45,69.62) 33.89,70.05 34.08,70.05 34.39,70.36 34.39,70.49 35.18,70.49
  Bottom w0.15: U3.12 33.36,69.71 v1(33.45,69.62)
/EN_RF: length 78.2
  Top w0.15: 37.05,20.1 v1(37.05,20.12) 38.01,19.16 U1.1 39.45,18.79 39.45,16.94 R1.1 ; U4.21 50.77,71.15 v1(50.79,71.17)
  In1.Cu w0.15: v1(48.95,49.97) 56.1,49.97 v1(56.46,49.6)
  In2.Cu w0.15: v1(37.05,20.12) 37.85,20.92 37.85,33.12 37.74,33.22 37.74,37.03 40.94,40.22 47.08,40.22 49.64,42.77 49.64,49.45 49.12,49.97 v1(48.95,49.97) ; v1(56.46,49.6) 56.88,50.01 56.88,67.21 52.92,71.17 v1(50.79,71.17)
/EN_RF_1V8: length 7.2
  Top w0.09: 43.45,71.15 U4.4
  Top w0.15: U2.176 40.16,74.49 43.45,71.19 43.45,71.15
/GPIO_AD_25: length 19.6
  Bottom w0.15: U5.22 39.37,25.06 38.31,24 33.88,24 J27.5
/GPIO_AD_25_1V8: length 8.5
  Top w0.15: 37.52,39.95 37.52,40.55 37.3,40.76 v1(37.3,41.31)
  Bottom w0.15: U5.3 39.37,38.76 37.3,40.83 v1(37.3,41.31)
/GPIO_AD_26: length 27.6
  Top w0.15: U11.21 51.41,28.32 v1(52.11,27.62)
  Bottom w0.15: v1(52.11,27.62) 52.11,27.43 57.46,22.08 57.46,5.9 J24.2
/GPIO_AD_26_1V8: length 6.3
  Top w0.15: 55.12,39.95 55.12,39.35 51.41,35.64 U11.4
/GPIO_AD_27: length 28.4
  Top w0.15: v1(52.35,28.3) 52.06,28.58 U11.22
  Bottom w0.15: J24.1 60,5.9 60,20.64 v1(52.35,28.3)
/GPIO_AD_27_1V8: length 6.2
  Top w0.15: 55.52,39.95 55.52,39.25 52.06,35.79 U11.3
/GPIO_AD_28: length 22.4
  In2.Cu w0.15: v1(21.66,74.7) 16.17,80.18 6.62,80.18 J23.2
  Bottom w0.15: U3.19 22.75,73.61 v1(21.66,74.7)
/GPIO_AD_28_1V8: length 4.9
  Top w0.15: 35.18,73.29 33.23,73.29 v1(33.12,73.39)
  Bottom w0.15: v1(33.12,73.39) 32.91,73.61 U3.6
/GPIO_AD_29: length 23.7
  In2.Cu w0.15: J23.1 6.62,82.72 16.41,82.72 v1(23.5,75.63)
  Bottom w0.15: v1(23.5,75.63) 23.5,74.72 23.96,74.26 U3.20
/GPIO_AD_29_1V8: length 5
  Top w0.15: v1(33.16,74.09) 33.57,73.69 35.18,73.69
  Bottom w0.15: U3.5 33,74.26 v1(33.16,74.09)
/GPIO_AD_32: length 36.7
  Top w0.15: U14.19 41.97,29.97 42.27,30.27 42.27,33.17 v1(42.02,33.43)
  In2.Cu w0.15: J26.4 49.43,10.2 43.29,10.2 42.55,10.95 42.55,22.91 41.99,23.47 41.99,33.41 v1(42.02,33.43)
/GPIO_AD_32_1V8: length 6.4
  Top w0.15: U14.6 41.97,35.78 42.19,36.01 42.45,36.01 45.52,39.08 45.52,39.95
/GPIO_AD_33: length 33.7
  Top w0.15: J28.12 50.26,83.67 50.26,77.07 46.88,73.69 46.88,54.48 47.48,53.88 U13.16
/GPIO_AD_33_1V8: length 5.3
  Top w0.09: U13.9 47.48,46.07 45.52,44.11 45.52,43.03
/GPIO_AD_34: length 37.1
  Bottom w0.15: 59.29,81.18 60.42,80.05 60.42,75.44 39.39,54.41 U15.22
/GPIO_AD_34_1V8: length 10.7
  Top w0.15: 37.12,39.95 37.12,39.41 v1(37.45,39.09)
  Bottom w0.15: U15.3 39.39,46.84 36.78,44.24 36.78,39.75 v1(37.45,39.09)
/GPIO_AD_35: length 19.4
  Bottom w0.15: U5.21 40.02,25.21 38.46,23.65 31.69,23.65 J27.4
/GPIO_AD_35_1V8: length 7.9
  Top w0.15: v1(37.91,40.96) 38.32,40.55 U2.87
  Bottom w0.15: U5.4 40.02,38.85 v1(37.91,40.96)
/GPIO_DISP_B1_04: length 49.1
  Top w0.15: v1(50.8,68.55) 50.79,68.55 U4.17
  In1.Cu w0.15: v1(50.8,68.55) 42.93,76.41 38.52,76.41 31.08,83.85 J25.1
/GPIO_DISP_B1_04_1V8: length 7.8
  Top w0.15: U2.166 40.07,72.49 42.4,70.16 42.4,69.55 43.39,68.55 U4.8
/GPIO_DISP_B1_11: length 21.6
  In2.Cu w0.15: v1(21.25,73.87) 17.47,77.64 6.62,77.64 J23.3
  Bottom w0.15: U3.18 22.16,72.96 v1(21.25,73.87)
/GPIO_DISP_B1_11_1V8: length 4.9
  Top w0.15: v1(32.42,72.93) 32.86,72.49 35.18,72.49
  Bottom w0.15: U3.7 32.38,72.96 v1(32.42,72.93)
/GPIO_DISP_B2_06: length 31
  Top w0.15: v1(36.17,56.95) 36.18,56.94 U16.20
  In2.Cu w0.15: v1(36.17,56.95) 35.55,57.57 35.55,57.87 37.36,59.68 39.25,59.68 43.38,63.81 43.38,75.66 44.13,76.41 45.47,76.41 J29.8
/GPIO_DISP_B2_06_1V8: length 5.4
  Top w0.09: U16.5 36.18,45.71 38.32,43.57 U2.88
/GPIO_DISP_B2_07: length 32.9
  Top w0.15: U16.19 36.83,57.03 v1(36.14,57.72)
  In2.Cu w0.15: J29.7 47.66,76.06 44.28,76.06 43.73,75.51 43.73,63.67 39.39,59.33 37.75,59.33 v1(36.14,57.72)
/GPIO_DISP_B2_07_1V8: length 5.5
  Top w0.09: U16.6 36.83,45.53 38.77,43.58 38.77,42.86
/GPIO_DISP_B2_09: length 34.8
  Top w0.15: U16.18 37.48,56.97 v1(37.48,56.97)
  In2.Cu w0.15: v1(37.48,56.97) 36.82,57.63 36.82,57.84 37.96,58.98 39.54,58.98 44.08,63.52 44.08,75.37 44.42,75.71 49.85,75.71 J29.6
/GPIO_DISP_B2_09_1V8: length 5.3
  Top w0.09: U16.7 37.48,45.61 39.52,43.57 39.52,43.03
/GPIO_EMC_B1_40: length 40.3
  Top w0.15: U12.13 58.13,58.8 78.2,78.86 78.2,83.67 J28.1
/GPIO_EMC_B1_40_1V8: length 5.6
  Top w0.09: 55.52,43.03 55.52,44.26 58.13,46.88 U12.12
/GPIO_EMC_B1_41: length 39.8
  Top w0.15: J28.2 75.95,83.38 75.95,80.01 57.48,61.55 U12.14
/GPIO_EMC_B1_41_1V8: length 8.5
  Top w0.09: U12.11 57.48,46.93 54.91,44.36 52.32,44.36 51.52,43.56 51.52,43.03
/GPIO_EMC_B2_00: length 38.8
  Top w0.15: J28.3 73.12,83.67 73.12,80.13 56.83,63.85 U12.15
/GPIO_EMC_B2_00_1V8: length 8.2
  Top w0.09: 51.12,43.03 51.12,43.57 52.2,44.65 54.52,44.65 56.83,46.97 U12.10
/GPIO_EMC_B2_01: length 39.7
  Top w0.15: U14.20 42.62,33.97 v1(42.6,34)
  In2.Cu w0.15: v1(42.6,34) 42.61,33.98 42.61,23.34 42.9,23.06 42.9,11.09 43.44,10.55 51.62,10.55 J26.3
/GPIO_EMC_B2_01_1V8: length 6.3
  Top w0.15: U2.47 46.32,39.35 42.62,35.65 U14.5
/GPIO_EMC_B2_02: length 48.9
  Top w0.15: v1(48.68,59.39) 48.73,59.34 U17.17
  In1.Cu w0.15: J25.3 20.59,67.28 41,67.28 48.14,60.14 48.14,59.87 48.62,59.39 v1(48.68,59.39)
/GPIO_EMC_B2_02_1V8: length 11.3
  Top w0.15: U2.140 38.89,67.29 39.69,66.49 39.97,66.49 41.3,65.16 41.3,61.33 43.29,59.34 U17.8
/GPIO_EMC_B2_03: length 50.6
  Top w0.15: U17.18 48.76,59.99 v1(48.66,60.09)
  In1.Cu w0.15: v1(48.66,60.09) 48.66,60.11 41.14,67.63 20.91,67.63 10.23,78.3 10.23,80.18 J25.2
/GPIO_EMC_B2_03_1V8: length 11
  Top w0.15: U2.142 38.98,67.69 39.83,66.84 40.12,66.84 41.65,65.31 41.65,61.89 43.54,59.99 U17.7
/GPIO_EMC_B2_04: length 35.6
  Top w0.15: U13.22 43.58,52.75 v1(42.97,52.14)
  Bottom w0.15: J29.1 48.14,61.3 48.14,57.31 v1(42.97,52.14)
/GPIO_EMC_B2_04_1V8: length 4.8
  Top w0.09: U13.3 43.58,47.32 43.57,47.31 43.57,46.92 42.72,46.07 U2.66
/GPIO_EMC_B2_08: length 36.5
  Top w0.15: v1(41.33,33.94) 41.49,33.77 41.49,33.21 41.92,32.78 41.92,30.64 41.32,30.04 U14.18
  In2.Cu w0.15: v1(41.33,33.94) 41.33,33.38 41.64,33.06 41.64,23.46 41.08,22.9 41.08,11.92 43.15,9.85 47.24,9.85 J26.5
/GPIO_EMC_B2_08_1V8: length 6.6
  Top w0.15: U14.7 41.32,35.74 41.93,36.36 42.3,36.36 45.12,39.17 45.12,39.95
/GPIO_EMC_B2_10: length 35
  Top w0.15: U12.20 53.58,65.77 60.55,72.74 60.55,83.54 J28.8
/GPIO_LPSR_00: length 35.6
  Bottom w0.15: U15.20 38.08,54.11 55.34,71.36 55.34,80.05 54.22,81.18
/GPIO_LPSR_00_1V8: length 11.2
  Top w0.15: v1(35.91,38.66) 36.02,38.66 36.32,38.96 U2.97
  Bottom w0.15: v1(35.91,38.66) 36.07,38.82 36.07,44.72 38.09,46.74 U15.5
/GPIO_LPSR_01: length 42.5
  Top w0.15: v1(43.27,33.47) 43.27,29.41 U14.21
  In2.Cu w0.15: v1(43.27,33.47) 43.27,30.23 43.27,30.22 ; J26.2 53.81,10.9 43.58,10.9 43.25,11.24 43.25,14.57 45.3,16.62 45.3,21.49 43.27,23.51 43.27,30.22 ; 43.27,30.22 43.27,30.43 43.27,30.44
/GPIO_LPSR_01_1V8: length 6.2
  Top w0.15: U14.4 43.27,35.8 46.72,39.25 U2.45
/GPIO_LPSR_04: length 26.8
  Top w0.15: U11.20 50.76,27.8 v1(51.78,26.78)
  Bottom w0.15: v1(51.78,26.78) 51.78,26.61 54.92,23.47 54.92,5.9 J24.3
/GPIO_LPSR_04_1V8: length 5.6
  Top w0.15: U2.15 52.72,39.32 50.76,37.36 U11.5
/GPIO_LPSR_05: length 26.3
  Top w0.15: U11.19 50.11,27.09 v1(50.3,26.91)
  Bottom w0.15: J24.4 52.39,5.92 52.39,25.26 50.74,26.91 v1(50.3,26.91)
/GPIO_LPSR_05_1V8: length 5.7
  Top w0.15: U2.17 52.32,39.41 50.11,37.2 U11.6
/GPIO_LPSR_06: length 40.6
  Top w0.15: U16.14 40.08,54.55 42.37,56.84 v1(42.94,56.84)
  In2.Cu w0.15: J29.2 58.61,74.31 46.76,74.31 45.48,73.03 45.48,59.38 v1(42.94,56.84)
/GPIO_LPSR_06_1V8: length 5.1
  Top w0.09: 41.52,43.03 41.52,43.66 40.08,45.11 U16.11
/GPIO_LPSR_07: length 28.9
  Top w0.15: v1(45.03,27.31) 46.21,28.49 46.21,28.79 ; U11.13 46.21,28.79 ; 46.21,28.79 46.21,28.69
  Bottom w0.15: v1(45.03,27.31) 37.32,19.6 37.32,6.08 J24.10
/GPIO_LPSR_07_1V8: length 5.8
  Top w0.15: U11.12 46.21,36.8 48.72,39.31 U2.35
/GPIO_LPSR_10: length 36.1
  Top w0.15: U13.14 48.78,53.88 47.23,55.43 47.23,73.46 49.08,75.31 51.04,75.31 52.8,77.07 52.8,83.67 J28.11
/GPIO_LPSR_10_1V8: length 5.5
  Top w0.09: U2.48 46.32,43.68 48.78,46.14 U13.11
/GPIO_LPSR_11: length 38.3
  Top w0.15: U13.13 49.43,53.98 47.58,55.83 47.58,73.05 49.48,74.96 53.23,74.96 55.47,77.2 55.47,83.55 J28.10
/GPIO_LPSR_11_1V8: length 66.5
  Top w0.09: U2.46 46.72,43.54 49.43,46.25 U13.12
  Top w0.15: v5(49.2,49.29) 49.43,49.05 U13.12 ; J5.6 29.39,89.58 v1(29.89,89.07)
  In2.Cu w0.15: v5(49.2,49.29) 37.43,49.29 30.91,55.82 30.91,76.78 30.33,77.36 30.33,87.02 31.14,87.83 v1(29.89,89.07)
/GPIO_LPSR_12: length 34.3
  Top w0.15: J28.9 57.88,83.67 57.88,70.56 53.23,65.91 53.23,54.83 52.51,54.11 52.51,53.47 U12.22
/GPIO_LPSR_12_1V8: length 66.3
  Top w0.09: U12.3 52.28,46.93 52.03,46.68 50.27,46.68 47.12,43.53 47.12,43.03
  Top w0.15: 47.12,43.03 47.12,42.33 v1(47.07,42.28) ; v1(29.8,87.33) 29.67,87.33 28.69,88.31 J5.8
  In2.Cu w0.15: v1(29.8,87.33) 29.98,87.15 29.98,77.12 30.55,76.54 30.55,55.48 43.76,42.28 v1(47.07,42.28)
/GPIO_LPSR_13: length 45.3
  Top w0.15: U14.22 43.92,29.41 43.92,33.87 v1(44.07,34.02)
  In2.Cu w0.15: v1(44.07,34.02) 44.08,34 44.08,23.2 45.64,21.64 45.64,16.47 43.6,14.42 43.6,11.38 43.73,11.25 54.12,11.25 55.87,9.5 57.75,9.5 J26.1
